# Altium PCB 脑电采集板V4.0.PcbDoc (part 2 of 2)
Units mil, origin at the board's own origin, x right, y up, seen from the top; angles counter-clockwise.
Board outline 2559.06 x 2362.2 mil, 2 copper layers (Top Layer, Bottom Layer); 141 components, 98 nets, 603 pads, 267 vias.
Unrouted connection lines stored in the file: 86.
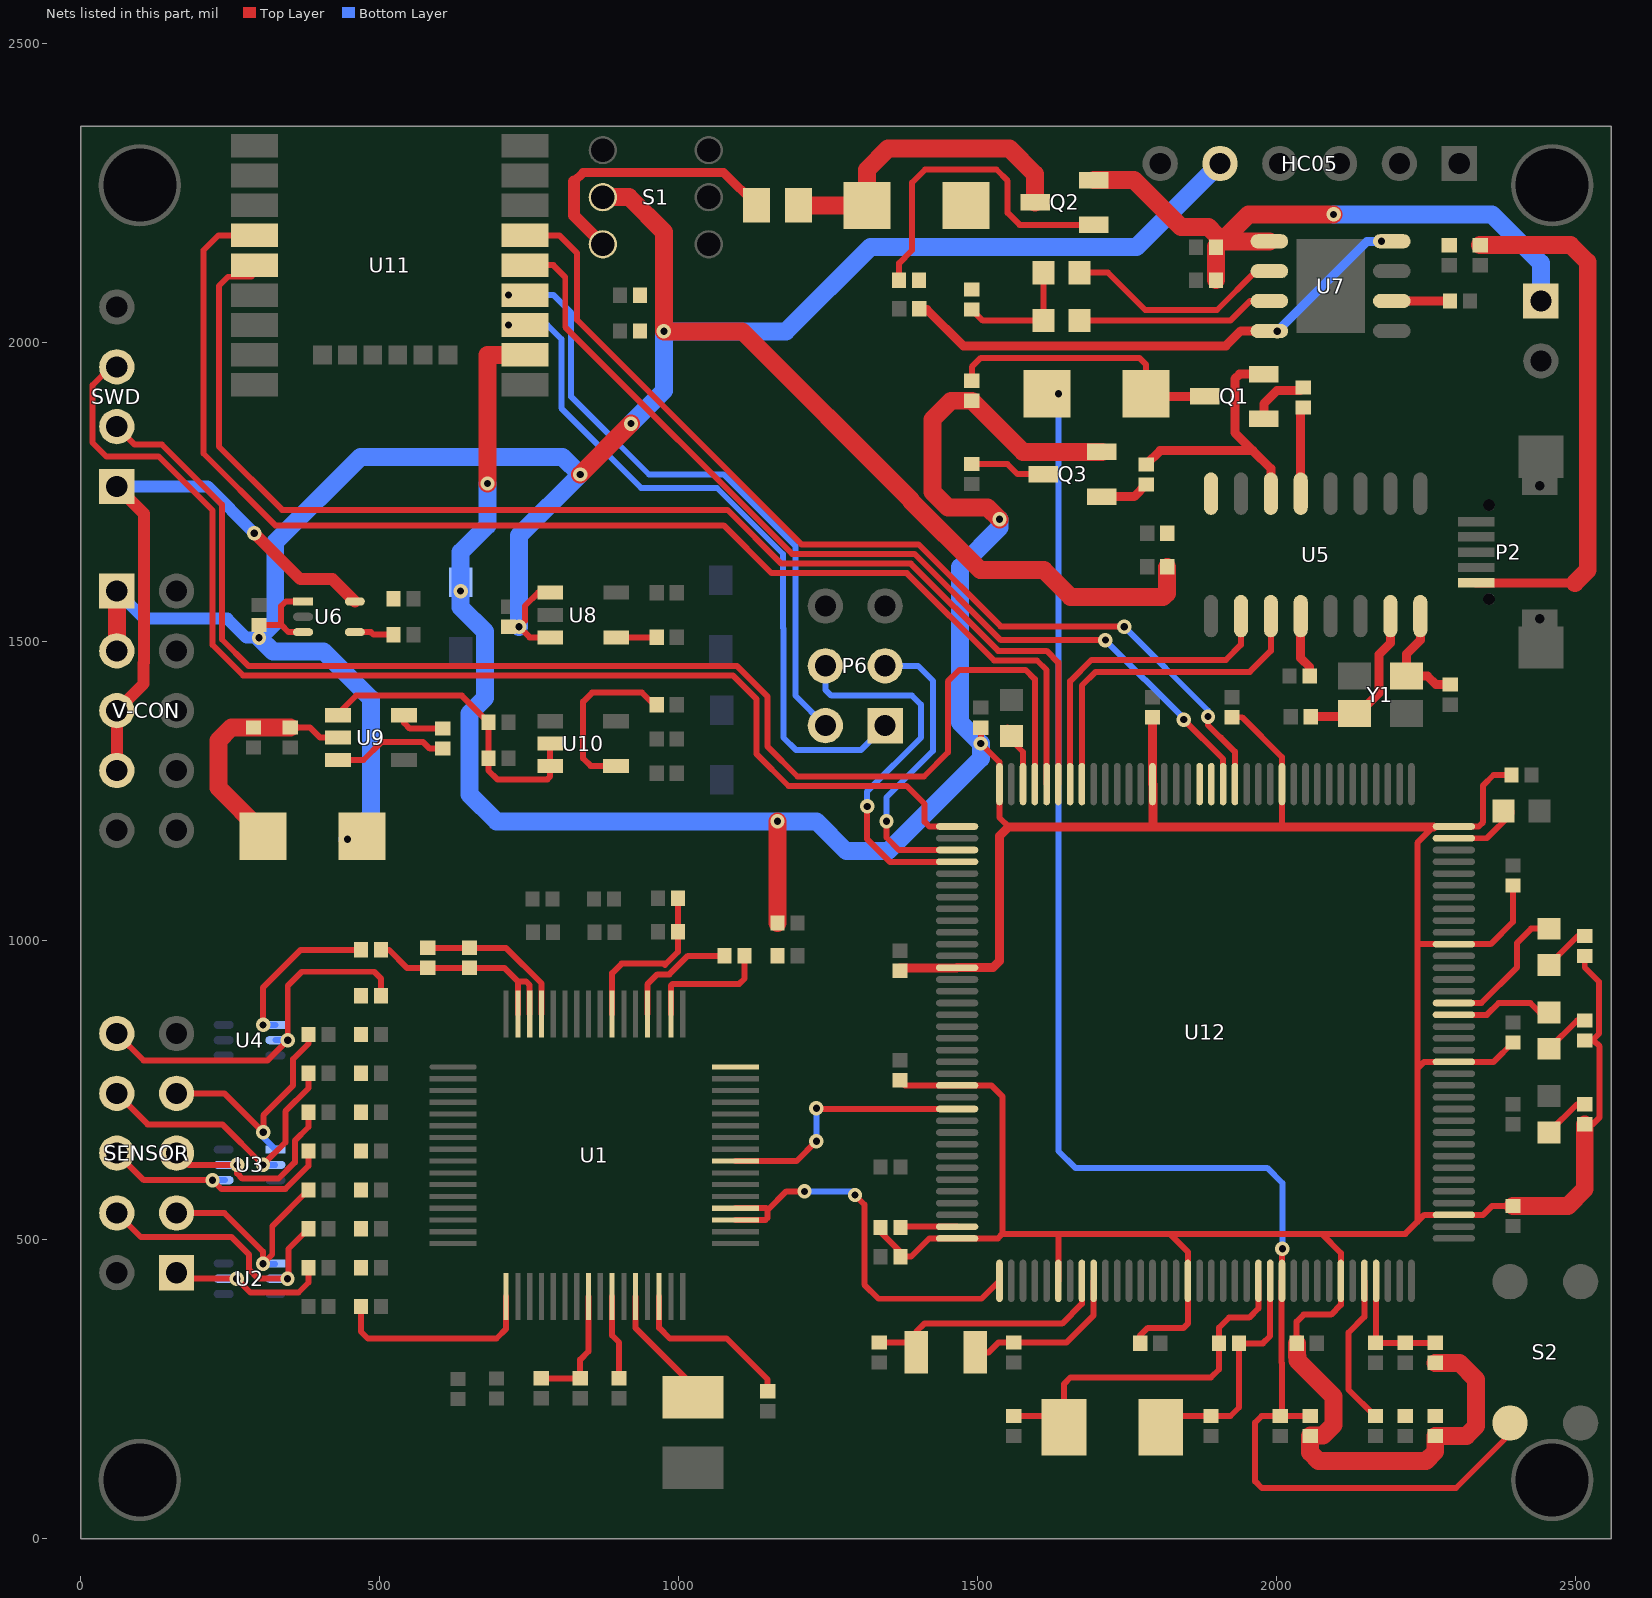
[diagram p2: the nets of this part, all layers, seen from the top]

## Via types
v1: diameter 24, hole 12, Top Layer to Bottom Layer, tented both sides, 267 vias

## Nets (pads, with @x,y where several pads share a name; then routed paths per layer and width w, separated by ;. In a path a pad name is that pad's centre, name@x,y a point inside that pad or via, vN(x,y) a via of type N, cw(c..) or ccw(c..) an arc to the next point about the centre after c; other vN are vias at no path point) (continued)
IN2P: R6.1 SENSOR.1 U2.5 | length 286.7
  Top Layer w10: SENSOR.1@160,445 170,435 v1(260.59,435) 260.59,434.77 283.35,412 363.94,412 380.59,428.65 R6.1@380.59,453.49
  Bottom Layer w10: U2.5@240,435 v1(260.59,435)
IN3P: R7.1 SENSOR.4 U2.2 | length 464.2
  Top Layer w10: SENSOR.4@60,545 100.53,504.47 252.16,504.47 281.41,475.22 281.41,450.47 296.88,435 v1(345.59,435) 347.1,436.52 347.1,485 R7.1@380.59,518.49
  Bottom Layer w10: U2.2@325,435 U2.2@325.34,435 v1(345.59,435)
IN4P: R8.1 SENSOR.3 U2.1 | length 367.3
  Top Layer w10: SENSOR.3@160,545 239.94,545 304.41,480.53 v1(304.41,460) 320,475.59 320,522.9 R8.1@380.59,583.49
  Bottom Layer w10: v1(304.41,460) U2.1@325,460
IN5P: R9.1 SENSOR.6 U3.4 | length 406.9
  Top Layer w10: SENSOR.6@60,645 105.23,599.77 v1(220,599.77) 234.77,585 341.94,585 380.59,623.65 R9.1@380.59,648.49
  Bottom Layer w10: v1(220,599.77) U3.4@238.72,599.77 U3.4@240.59,599.77
IN6P: R10.1 SENSOR.5 U3.5 | length 349
  Top Layer w10: SENSOR.5@160,645 179.63,625.37 v1(261.18,625.37) 261.18,611.1 269.91,602.37 330.52,602.37 357.78,629.63 357.78,665.84 380.59,688.65 R10.1@380.59,713.49
  Bottom Layer w10: U3.5@240.59,625.37 v1(261.18,625.37)
IN7P: R11.1 SENSOR.8 U3.2 | length 495.8
  Top Layer w10: SENSOR.8@60,745 111.73,693.27 236.51,693.27 v1@302,627.78 ; v1(304.41,625.37) 341.78,662.73 341.78,714.84 380.59,753.65 R11.1@380.59,778.49
  Bottom Layer w10: v1(304.41,625.37) U3.2@325,625.37
IN8P: R12.1 SENSOR.7 U3.1 | length 403.6
  Top Layer w10: SENSOR.7@160,745 240,745 v1(305,680) 305,708.27 355,758.27 355,802.52 380.59,828.11 R12.1@380.59,843.49
  Bottom Layer w10: v1(305,680) 305,671.42 U3.1@325,651.42
LED0: D9.K U12.57 | length 234.4
  Top Layer w10: U12.57@2296.06,896.06 2342.06,896.06 2401.85,955.85 2401.85,996.85 2425.31,1020.31 D9.K@2455,1020.31
LED1: D10.K U12.56 | length 173.6
  Top Layer w10: U12.56@2296.06,876.38 2351.42,876.38 2371.1,896.06 2423.94,896.06 2439.69,880.31 D10.K@2455,880.31
NetC3_1: C3.1 C4.1 U1.55 | length 284.2
  Top Layer w10: U1.55@888.31,877.8 888.31,946.05 904.26,962 974.74,962 976.75,960 998.48,981.74 C4.1@998.48,1015.31 C3.1@998.48,1071.07
NetC5_1: C5.1 R2.1 R4.2 U1.62 U1.63 | length 375.9
  Top Layer w10: R4.2@501.73,985 515.16,985 545.16,955 C5.1@580,955 R2.1@650,955 708.01,955 730.83,932.18 ; U1.63@730.83,877.8 730.83,932.18 ; U1.62@750.51,877.8 750.51,926.11 744.44,932.18 730.83,932.18
NetC5_2: C5.2 R2.2 U1.61 | length 266.1
  Top Layer w10: C5.2@580,988.46 R2.2@650,988.46 710.79,988.46 770.2,929.06 U1.61@770.2,877.8
NetC19_1: C19.1 U1.26 | length 141.7
  Top Layer w10: U1.26@888.31,405.35 888.31,340 900,328.31 C19.1@900,268.46
NetC20_1: C20.1 U1.30 | length 289.5
  Top Layer w10: U1.30@967.05,405.35 967.05,352.95 985,335 1080,335 1148.57,266.43 C20.1@1148.57,246.73
NetC22_1: C22.1 U1.28 | length 208.3
  Top Layer w10: U1.28@927.68,405.35 927.68,352.32 1020,260 1020,240.31 C22.1@1023.57,236.73
NetC23_2: C23.2 C24.1 U1.24 | length 207.7
  Top Layer w10: C24.1@770,268.46 C23.2@835,268.46 835,299.57 848.94,313.5 U1.24@848.94,405.35
NetC27_1: C27.1 U5.4 | length 106.4
  Top Layer w15: U5.4@2040,1543.19 2040,1473.03 2055,1458.03 C27.1@2055,1442.99
NetC30_2: C30.2 U5.7 Y1.1 | length 267.1
  Top Layer w15: C30.2@2056.73,1375 2125,1375 Y1.1@2130,1380 2136.3,1380 2171.06,1414.76 2171.06,1479.13 2190,1498.07 U5.7@2190,1543.19
NetC31_2: C31.2 U5.8 Y1.3 | length 189.3
  Top Layer w15: U5.8@2240,1543.19 2240,1502.95 2216.61,1479.57 Y1.3@2216.61,1442.99 2252.01,1442.99 2266.54,1428.46 C31.2@2290,1428.46
NetC34_2: C34.2 U6.4 | length 66.7
  Top Layer w10: U6.4@458.13,1516.42 485,1516.42 489.41,1512.01 C34.2@523.05,1512.01
NetC41_2: C41.2 U8.4 | length 67.8
  Top Layer w10: U8.4@895.24,1507.6 C41.2@963.05,1507.6
NetC42_1: C42.1 U9.5 | length 81.6
  Top Layer w10: U9.5@540.24,1377.4 540.24,1364.76 550,1355 C42.1@605.12,1355
NetC42_2: C42.2 U9.3 | length 192
  Top Layer w10: U9.3@430,1302.6 472.6,1302.6 502.5,1332.5 572.5,1332.5 583.46,1321.54 C42.2@605.12,1321.54
NetC45_1: C45.1 C46.2 D7.2 U9.2 | length 407
  Top Layer w10: C45.1@350.12,1356.73 383.27,1356.73 400,1340 U9.2@430,1340
  Top Layer w30: D7.2@304.64,1175 304.64,1181.43 230,1256.07 230,1335.24 251.49,1356.73 C46.2@288.6,1356.73 C45.1@350.12,1356.73
NetC47_1: C47.1 C48.2 U9.1 U10.2 U10.3 | length 532.2
  Top Layer w10: U9.1@430,1377.4 430,1380 460,1410 637.01,1410 C48.2@681.52,1365.49 C47.1@681.52,1305.49 681.52,1285 696.52,1270 780,1270 784.88,1274.88 U10.3@784.88,1292.6 U10.2@784.88,1330
NetC49_2: C49.2 U10.4 | length 292.8
  Top Layer w10: U10.4@895.12,1292.6 852.4,1292.6 840,1305 840,1400 855,1415 938.46,1415 958.46,1395 C49.2@963.07,1395
NetC50_2: C50.2 U12.8 Y2.1 | length 438.6
  Top Layer w10: C50.2@1335,328.46 1380.55,328.46 Y2.1@1397.28,311.73 1397.28,346.65 1410.63,360 1641.02,360 1674.02,392.99 U12.8@1674.02,431.5
NetC51_2: C51.2 U12.9 Y2.2 | length 281.5
  Top Layer w10: Y2.2@1495.71,311.73 1517.95,311.73 1534.69,328.46 C51.2@1560,328.46 1648.46,328.46 1693.7,373.7 U12.9@1693.7,431.5
NetC52_2: C52.2 R26.1 U12.23 Y3.1 | length 628.7
  Top Layer w10: C52.2@1560,205.43 1625.71,205.43 Y3.1@1644.29,186.85 1644.29,259.29 1655,270 1890,270 1903.27,283.27 R26.1@1903.27,326.85 1903.27,353.27 1920,370 1953.82,370 1969.29,385.47 U12.23@1969.29,431.5
NetC53_2: C53.2 R26.2 U12.24 Y3.2 | length 401.5
  Top Layer w10: Y3.2@1805.71,186.85 1824.29,205.43 C53.2@1890,205.43 1922.56,205.43 1936.73,219.61 R26.2@1936.73,326.85 1976.57,326.85 1988.98,339.25 U12.24@1988.98,431.5
NetC54_1: C54.1 C55.1 R28.2 U12.33 | length 204.1
  Top Layer w10: U12.33@2166.14,431.5 2166.14,328.98 C54.1@2165,327.83 R28.2@2265,327.83
NetC57_2: C57.2 U12.106 | length 104.9
  Top Layer w10: C57.2@1550,1356.54 1550,1341.54 1575.59,1315.95 U12.106@1575.59,1262.2
NetC60_2: C60.2 U12.71 | length 118.1
  Top Layer w10: U12.71@2296.06,1171.65 2351.42,1171.65 2392.52,1212.75 C60.2@2392.52,1217.4
NetD1_2: D1.2 F1.1 Q2.3 | length 535
  Top Layer w30: F1.1@1200.04,2230 D1.2@1314.65,2230 1314.65,2289.65 1350,2325 1553.02,2325 1595.79,2282.24 Q2.3@1595.79,2235
NetD2_2: D2.2 Q1.3 R14.2 | length 474.5
  Top Layer w10: R14.2@1490,1936.73 1490,1960 1505,1975 1770,1975 1781.38,1963.62 D2.2@1781.38,1915
  Top Layer w15: D2.2@1781.38,1915 1785.83,1910.55 Q1.3@1879.8,1910.55
NetD3_A: D3.A D5.A R21.1 | length 207.3
  Top Layer w10: R21.1@1490,2055.67 1508.27,2037.4 D3.A@1609.68,2037.4 D5.A@1609.68,2117.4
NetD3_K: D3.K U7.7 | length 330.8
  Top Layer w10: D3.K@1670.31,2037.4 1922.4,2037.4 1955,2070 U7.7@1987.64,2070
NetD5_K: D5.K U7.6 | length 370.1
  Top Layer w10: D5.K@1670.31,2117.4 1717.6,2117.4 1780,2055 1900,2055 1965,2120 U7.6@1987.64,2120
NetD9_A: D9.A R23.2 | length 80.2
  Top Layer w10: D9.A@2455,959.68 2503.78,1008.46 R23.2@2515,1008.46
NetD10_A: D10.A R24.2 | length 79.5
  Top Layer w10: D10.A@2455,819.68 2502.05,866.73 R24.2@2515,866.73
NetD11_A: D11.A R25.2 | length 79.5
  Top Layer w10: D11.A@2455,679.68 2502.05,726.73 R25.2@2515,726.73
NetF1_2: F1.2 S1.1 | length 458.8
  Top Layer w15: 825,2270 840,2285 1074.96,2285 F1.2@1129.96,2230
  Top Layer w20: 825,2270 825,2212.83 S1.1@872.83,2165
NetQ1_1: Q1.1 R17.2 | length 102.2
  Top Layer w15: Q1.1@1978.23,1873.15 1978.23,1898.23 2000.67,1920.67 2039.14,1920.67 R17.2@2044.02,1925.55
NetQ1_2: Q1.2 R18.2 U5.14 | length 456.6
  Top Layer w15: R18.2@1781.46,1796.73 1804.72,1820 1960,1820 ; Q1.2@1978.23,1947.95 1937.95,1947.95 1930,1940 1930,1850 1960,1820 ; U5.14@1990,1747.91 1990,1790 1960,1820
NetQ2_1: Q2.1 R16.2 | length 555
  Top Layer w10: R16.2@1368.39,2105 1368.39,2133.39 1390,2155 1390,2268.14 1411.86,2290 1531.22,2290 1550,2271.22 1550,2217.6 1570,2197.6 Q2.1@1694.21,2197.6
NetQ3_1: Q3.1 R18.1 | length 82.2
  Top Layer w15: Q3.1@1707.6,1743.15 1761.34,1743.15 R18.1@1781.46,1763.27
NetQ3_3: Q3.3 R19.1 | length 126.1
  Top Layer w10: R19.1@1490,1797.28 1549.56,1797.28 1566.3,1780.55 Q3.3@1609.17,1780.55
NetR3_2: R3.2 U1.52 | length 198.5
  Top Layer w10: U1.52@947.36,877.8 947.36,927.36 964,944 984,944 1015,975 R3.2@1076.54,975
NetR17_1: R17.1 U5.13 | length 145.8
  Top Layer w15: U5.13@2040,1747.91 2040,1888.07 R17.1@2044.02,1892.09
NetR20_2: R20.2 U7.2 | length 97.4
  Top Layer w15: U7.2@2192.36,2070 R20.2@2289.8,2070
NetR22_2: R22.2 U12.143 | length 94.9
  Top Layer w10: R22.2@1370.98,520.79 1372.24,522.05 U12.143@1465.35,522.05
nRF_RX: P6.1 U11.18 | length 1188.6
  Bottom Layer w10: v1(715,2030) 780,2030 803.46,2006.54 803.46,1890.83 936.8,1757.5 1063.72,1757.5 1174.23,1646.99 1174.23,1523.27 1175,1522.5 1175,1340 1195.53,1319.47 1305,1319.47 1345,1359.47 P6.1@1345,1360
nRF_TX: P6.2 U11.19 | length 1057
  Bottom Layer w10: v1(715,2080) 790.55,2080 820,2050.55 820,1910 950,1780 1075,1780 1195,1660 1195,1410 P6.2@1245,1360
P\W\D\N\: U1.35 U1.36 U12.1 | length 688.9
  Top Layer w10: U1.35@1095,533.31 1145,533.31 1148.57,536.88 1148.57,550 ; U1.36@1095,552.99 1145.58,552.99 1148.57,550 ; v1(1210,581.1) 1179.68,581.1 1148.57,550 ; v1(1294.53,575) 1310.35,559.17 1310.35,425 1333.84,401.51 1506.24,401.51 U12.1@1536.22,431.5
  Bottom Layer w10: v1(1210,581.1) 1288.43,581.1 v1(1294.53,575)
PA11: U11.5 U12.103 | length 2110
  Top Layer w10: U11.5@290,2130 285,2130 285,2110.69 246.07,2110.69 231,2095.61 231,1826.63 336.63,1721 1081.37,1721 1171.37,1631 1387.85,1631 1533.85,1485 1615,1485 1634.65,1465.35 U12.103@1634.65,1262.2
PA12: U11.4 U12.104 | length 2186.1
  Top Layer w10: U11.4@290,2180 230,2180 205,2155 205,1815 325,1695 1075,1695 1155,1615 1381.22,1615 1527.22,1469 1599.03,1469 1615,1453.03 U12.104@1614.96,1262.2
PG3: U11.21 U12.88 | length 1679.8
  Top Layer w10: U11.21@742.76,2180 800,2180 830,2150 830,2038.39 1205.39,1663 1401.11,1663 1538.15,1525.95 1744.32,1525.95 v1(1745,1525.28) ; v1(1885,1375) 1885,1360.87 1906.54,1339.33 1906.54,1340 1929.92,1316.61 U12.88@1929.92,1262.2
  Bottom Layer w10: v1(1745,1525.28) 1885,1385.28 v1(1885,1375)
PG4: U11.20 U12.89 | length 1603.1
  Top Layer w10: U11.20@742.76,2130 790,2130 810,2110 810,2026.54 1189.54,1647 1394.48,1647 1538.53,1502.95 v1(1713.39,1502.95) ; v1(1844.51,1370) 1910.24,1304.28 U12.89@1910.24,1262.2
  Bottom Layer w10: v1(1713.39,1502.95) 1845,1371.34 1843.66,1370 v1(1844.51,1370)
PG5: U12.90
PG6: U12.91
REF: R13.1 SENSOR.10 U4.2 | length 629
  Top Layer w10: SENSOR.10@60,845 104.69,800.31 312.3,800.31 v1(345.93,833.94) 345.93,925.25 369.06,948.38 490.62,948.38 501.73,937.27 R13.1@501.73,908.49
  Bottom Layer w10: U4.2@325.34,833.94 v1(345.93,833.94)
RESET: C56.2 D2.1 R27.2 S2.1 U12.25 | length 2736.2
  Top Layer w10: v1(2009.33,485) 2008.66,484.33 U12.25@2008.66,431.5 2007.92,430.76 2007.92,294.59 2008.66,293.85 2008.66,208.27 C56.2@2005.83,205.43 ; R27.2@2055.83,205.43 C56.2@2005.83,205.43 ; S2.1@2390,193.78 2390,175.37 2299.63,85 1975,85 1963.81,96.19 1963.81,194.52 1974.72,205.43 C56.2@2005.83,205.43
  Bottom Layer w10: v1(1635,1915) 1635,648.49 1663.01,620.47 1983.86,620.47 2009.33,595 v1(2009.33,485)
RL: R4.1 U4.1 | length 272.8
  Top Layer w10: v1(304.75,859.53) 304.75,922.26 367.48,985 R4.1@468.27,985
  Bottom Layer w10: v1(304.75,859.53) U4.1@325.34,859.53
SCLK: U1.40 U12.133 | length 439.6
  Top Layer w10: U1.40@1095,631.73 1196.77,631.73 v1(1230.04,665) ; v1(1230.04,720) 1231.14,718.9 U12.133@1465.35,718.9
  Bottom Layer w10: v1(1230.04,665) v1(1230.04,720)
SRB1: C12.1 C13.1 C14.1 C15.1 C16.1 C17.1 C18.1 C21.1 R13.2 U1.17 | length 350.4
  Top Layer w10: C12.1@468.27,388.49 468.27,346.73 480,335 695,335 711.14,351.14 U1.17@711.14,405.35
SWCLK: SWD.3 U12.109 | length 2054.4
  Top Layer w10: SWD.3@50,1960 19.47,1929.47 19.47,1833.21 42.69,1810 130,1810 220,1720 220,1495 271,1444 1090.34,1444 1130,1404.34 1130,1312.37 1183.37,1259 1381,1259 1411,1229 1411,1199.12 1418.78,1191.34 U12.109@1465.35,1191.34
SWDIO: SWD.2 U12.105 | length 2294
  Top Layer w10: SWD.2@50,1860 SWD.2@60,1860 90,1830 135.55,1830 236,1729.55 236,1504 280,1460 1096.97,1460 1148.57,1408.39 1148.57,1324.8 1198.37,1275 1410,1275 1450,1315 1450,1434 1469,1453 1579.99,1453 1595.28,1437.72 U12.105@1595.28,1262.2
USART1_RX: U5.2 U12.102 | length 531.1
  Top Layer w10: U12.102@1654.33,1262.2 1654.33,1434.33 1690,1470 1915,1470 1940,1495 U5.2@1940,1543.19
USART1_TX: U5.3 U12.101 | length 563
  Top Layer w10: U12.101@1674.02,1262.2 1674.02,1427.01 1697.01,1450 1955,1450 1990,1485 U5.3@1990,1543.19
USART3_RX: P6.4 U12.112 | length 638.6
  Top Layer w10: v1(1315,1225) 1315,1170 1352.72,1132.28 U12.112@1465.35,1132.28
  Bottom Layer w10: P6.4@1245,1460 1245,1420 1255,1410 1390,1410 1405,1395 1405,1340 1315,1250 v1(1315,1225)
USART3_TX: P6.3 U12.111 | length 511.6
  Top Layer w10: v1(1347.16,1200) 1347.16,1172.84 1368.03,1151.97 U12.111@1465.35,1151.97
  Bottom Layer w10: P6.3@1345,1460 1400,1460 1425,1435 1425,1317.84 1347.16,1240 v1(1347.16,1200)
USB_5V: C35.2 C36.2 D1.1 P2.1 R15.1 R16.1 R21.2 U7.4 U7.8 | length 1747
  Top Layer w15: 1415,2055.67 1475.67,1995 1915,1995 1940,2020 U7.8@1987.64,2020 ; P2.1@2333.39,1598.82 2498.82,1598.82
  Top Layer w30: C35.2@2340,2163.46 2491.54,2163.46 2520,2135 2520,1620 2498.82,1598.82
  Bottom Layer w15: v1(2000.67,2019.45) 2151.23,2170 v1(2175,2170)
V_BAT: BAT.1 C37.2 C38.2 Q2.2 U7.5 | length 1053.2
  Top Layer w30: Q2.2@1694.21,2272.4 1761.14,2272.4 1839.75,2193.8 1885.51,2193.8 1897.81,2181.49 ; C38.2@1898.46,2105.08 C37.2@1898.46,2160 ; U7.5@1987.64,2170 1908.46,2170 C37.2@1898.46,2160 ; v1(2095,2215) 1952.48,2215 1898.46,2160.98 C37.2@1898.46,2160
  Bottom Layer w30: v1(2095,2215) 2360,2215 2441.65,2133.35 BAT.1@2441.65,2070
VCC: C25.1 C26.1 C28.2 C29.2 C32.2 C39.2 D7.1 HC05.5 S1.2 U5.16 U6.1 U6.3 U8.1 U8.3 V-CON.1 V-CON.3 | length 4948.4
  Top Layer w10: v1(297.9,1507.05) C32.2@297.9,1528.54 335,1528.54 ; U6.3@371.52,1516.42 347.13,1516.42 335,1528.54 ; U6.1@371.52,1567.6 342.6,1567.6 335,1560 335,1528.54 ; C39.2@714.98,1525.28 v1(732.84,1525.28) ; U8.3@785,1507.6 750.51,1507.6 v1(732.84,1525.28) ; U8.1@785,1582.4 764.8,1582.4 742.76,1560.35 742.76,1535.2 v1(732.84,1525.28)
  Top Layer w30: V-CON.3@60,1485 V-CON.1@60,1585 ; v1(835,1780) v1(920,1865) ; S1.2@872.83,2243.74 916.91,2243.74 975,2185.65 v1(975,2019.45) 1105.92,2019.45 1388.17,1737.2 1388.17,1735.91 1504.09,1620 1610.3,1620 1655.3,1575 1809.8,1575 1816.08,1581.28 1816.08,1624.9 C26.1@1816.73,1625.55
  Bottom Layer w20: V-CON.1@60,1585 106.22,1538.78 245,1538.78 276.73,1507.05 v1(297.9,1507.05)
  Bottom Layer w30: v1(446,1170) 485,1209 485,1405 406.06,1483.94 321.01,1483.94 v1(297.9,1507.05) 325,1534.15 325,1666.86 467.59,1809.45 805.55,1809.45 v1(835,1780) 732.84,1677.84 v1(732.84,1525.28) ; v1(920,1865) 975,1920 v1(975,2019.45) 1179.45,2019.45 1320.55,2160.55 1765.55,2160.55 HC05.5@1905,2300
VCC3.3: C10.1 C11.1 C33.2 C61.2 C62.2 C63.2 C64.2 C65.2 C66.2 C67.2 C68.2 C69.2 C70.2 C71.2 C72.2 D4.2 Q3.2 R3.1 R14.1 R22.1 R23.1 R24.1 R25.1 R27.1 R28.1 R29.2 SWD.1 U1.48 U1.50 U6.5 U11.17 U12.6 U12.17 U12.30 U12.39 U12.52 U12.62 U12.72 U12.84 U12.95 U12.108 U12.121 U12.131 U12.144 V-CON.5 V-CON.7 | length 10646
  Top Layer w10: U1.50@986.73,877.8 986.73,925.27 989.46,928 997.37,928 997.53,928.17 1015.3,928.17 1015.47,928 1101,928 1110,937 R3.1@1110,975 ; R22.1@1337.52,520.79 1337.52,512.48 1370.98,479.02 C66.2@1370.98,471.85 1388.27,471.85 1418.78,502.36 U12.144@1465.35,502.36 1533.35,502.36 1540.98,510 ; C61.2@1370,766.85 1378.58,758.27 U12.131@1465.35,758.27 1522.72,758.27 1540.98,740 1540.98,510 ; C63.2@1505,1356.54 v1(1505,1330) 1536.22,1298.78 U12.108@1536.22,1262.2 1536.22,1206.02 1551.57,1190.67 ; U12.6@1634.65,431.5 1634.65,506.66 1631.31,510 ; C64.2@1771.54,326.85 1771.54,340.16 1784.33,352.95 1844.13,352.95 1851.18,360 U12.17@1851.18,431.5 1851.18,480 1833.22,497.96 ; 1833.56,497.62 1833.22,497.96 ; C71.2@1925,1374.02 1941.98,1374.02 2008.66,1307.33 U12.84@2008.66,1262.2 2008.66,1192 2010,1190.67 ; C65.2@2033.27,326.85 2033.27,363.27 2045,375 2090.91,375 2107.09,391.18 U12.30@2107.09,431.5 2107.09,477.91 2075,510 ; C72.2@2392.52,1277.4 2362.4,1277.4 2345,1260 2345,1198.7 2337.64,1191.34 U12.72@2296.06,1191.34 2262.48,1191.34 2261.8,1190.67 2235,1163.86 2235,995 ; C69.2@2395,556.73 2360,556.73 2345,541.73 U12.39@2296.06,541.73 2246.73,541.73 2235,530 ; C68.2@2395,830 2362.64,797.64 U12.52@2296.06,797.64 2246.43,797.64 2235,786.2 ; C67.2@2395,1092.91 2395,1031.9 2357.59,994.49 U12.62@2296.06,994.49 2235.51,994.49 2235,995 ; R25.1@2515,693.27 2528.27,693.27 2540,705 2540,823.49 2530.22,833.27 R24.1@2527.06,833.27 ; R24.1@2515,833.27 R24.1@2527.06,833.27 ; R23.1@2515,975 2515,955.43 2538.8,931.64 2538.8,845 R24.1@2527.06,833.27 ; 1540.98,510 1631.31,510 ; 1631.31,510 1821.18,510 ; 1821.18,510 1833.22,497.96 ; 1821.18,510 1833.22,497.96 ; 1821.18,510 2075,510 ; 2075,510 2215,510 2235,530 ; 2235,530 2235,786.2 ; 2235,786.2 2235,995
  Top Layer w15: C62.2@1370,950.12 1370,954.44 1464.68,954.44 U12.121@1465.35,955.12 1525.15,955.12 1536.22,966.19 1536.22,1175.31 1551.57,1190.67 1792.8,1190.67 ; C70.2@1792.13,1374.02 U12.95@1792.13,1262.2 1792.8,1261.53 1792.8,1190.67 ; U12.72@2261.8,1190.67 2010,1190.67 1792.8,1190.67
  Top Layer w20: V-CON.7@60,1285 V-CON.5@60,1385 105,1430 105,1465.09 105.53,1465.61 105.53,1714.47 SWD.1@60,1760 ; v1(290,1681.86) 366.86,1605 420.73,1605 U6.5@458.13,1567.6
  Top Layer w30: v1(680,1765) 680,1980 U11.17@742.76,1980 ; C10.1@1165,1030 v1(1165,1200) ; v1(1536.22,1705) 1516.22,1725 1450,1725 1424.17,1750.83 1424.17,1872.25 1455.2,1903.27 R14.1@1490,1903.27 1575.31,1817.95 Q3.2@1707.6,1817.95 ; C65.2@2033.92,326.85 2033.92,305.36 2034.66,304.62 2034.66,298.14 2095,237.8 2095,190.3 2077.32,172.62 2056.48,172.62 R27.1@2055.83,171.97 2055.83,144.17 2070,130 2249.3,130 2265,145.7 R29.2@2265,171.97 2316.97,171.97 2333.39,188.39 2333.39,266.61 2305.63,294.37 R28.1@2265,294.37 ; C69.2@2395,556.73 2486.73,556.73 2515,585 R25.1@2515,693.27
  Bottom Layer w20: SWD.1@60,1760 211.86,1760 v1(290,1681.86)
  Bottom Layer w30: v1(680,1765) 680,1695 635,1650 D4.2@635,1600.08 v1(635,1585) 635,1557.93 675.69,1517.24 675.69,1406.04 650,1380.35 650,1245 695,1200 v1(1165,1200) 1230,1200 1280,1150 1350,1150 1505,1305 v1(1505,1330) 1470,1365 1470,1625 1536.22,1691.22 v1(1536.22,1705)
VREF+: C58.2 C59.2 R29.1 U12.32 | length 256.5
  Top Layer w10: U12.32@2146.46,431.5 2146.46,371.35 2120,344.9 2120,249.57 2164.57,205 C58.2@2165,205.43
pads on no net: HC05.1 HC05.6 P2. P2.4 P2.6 S1.3 S1.4 S1.5 S1.6 S2. U1.1 U1.3 U1.5 U1.7 U1.9 U1.11 U1.13 U1.15 U1.18 U1.27 U1.29 U1.37 U1.42 U1.44 U1.45 U1.46 U1.60 U1.64 U2.6 U3.6 U4.4 U4.5 U4.6 U5.9 U5.10 U5.11 U5.12 U5.15 U7.0 U11.2 U11.3 U11.6 U11.7 U11.8 U11.10 U11.11 U11.12 U11.13 U11.14 U11.15 U11.22 U11.23 U11.24 U12.3 U12.4 U12.5 U12.7 U12.10 U12.11 U12.12 U12.13 U12.14 U12.15 U12.18 U12.19 U12.20 U12.21 U12.22 U12.26 U12.27 U12.28 U12.29 U12.34 U12.35 U12.36 U12.37 U12.40 U12.41 U12.42 U12.43 U12.44 U12.45 U12.46 U12.47 U12.49 U12.50 U12.53 U12.54 U12.55 U12.58 U12.59 U12.60 U12.63 U12.64 U12.65 U12.66 U12.67 U12.68 U12.69 U12.70 U12.73 U12.74 U12.75 U12.76 U12.77 U12.78 U12.79 U12.80 U12.81 U12.82 U12.85 U12.86 U12.87 U12.92 U12.93 U12.96 U12.97 U12.98 U12.99 U12.100 U12.110 U12.113 U12.114 U12.115 U12.116 U12.117 U12.118 U12.119 U12.122 U12.124 U12.125 U12.126 U12.127 U12.128 U12.129 U12.132 U12.136 U12.137 U12.139 U12.140 U12.141 U12.142 Y1.2 Y1.4
copper on no net: | length 2098.5
  Bottom Layer w39.37: 1254.62,497.62 1255,20 ; 1255,780.74 1255,1045
  Bottom Layer w40: 10,1045 465,1045 575,1155 1180,1155 1255,1080 1255,1045

## Polygon pours and split planes (outlines as drawn)
AGND on Bottom Layer (solid, remove dead copper, pour order 4): 470,1025 580,1135 1170,1135 1235.38,1069.62 1235.38,775.38 1275.38,775.38 1275.38,1086.83 1187.2,1175 570,1175 455,1060 0,1060 0,2359.36 2559.06,2359.36 2559.06,-2.39 1275.38,0 1275.38,505 1235.38,505 1235.38,0 0,0 0,1025
no net on Bottom Layer (solid, remove dead copper, pour order 8): 735,255
no net on Bottom Layer (solid, remove dead copper, pour order 2): 475,1330
AGND on Top Layer (solid, remove dead copper, pour order 38): 470,1025 580,1135 1170,1135 1235.38,1069.62 1235.38,775.38 1275.38,775.38 1275.38,1086.83 1187.2,1175 570,1175 455,1060 0,1060 0,2359.36 2559.06,2359.36 2559.06,-2.39 1275.38,0 1275.38,505 1235.38,505 1235.38,0 0,0 0,1025
SRB1 on Top Layer (solid, remove dead copper, pour order 36): 442.6,371.35 449.57,364.38 481.53,364.38 481.53,934.32 479.2,936.65 442.6,936.65
VCC3.3 on Top Layer (solid, remove dead copper, pour order 34): 415,1543.19 538.19,1543.19 540,1545 540,1590 535,1595 540,1600 590,1600 590,1578.74 610,1558.74 666.73,1558.74 670,1562.01 665,1567.01 665,1630 430,1630 415,1615
VCC on Top Layer (solid, remove dead copper, pour order 32): 920,2117.4 920,1990.96 935.96,1975 1125,1975 1130,1980 1130,2115 1127.6,2117.4
VCC on Top Layer (solid, remove dead copper, pour order 30): 1800,1580 1849.64,1580 1910.24,1640.6 1910.24,1793.78 1909.02,1795 1846.54,1795 1800,1748.46
USB_5V on Top Layer (solid, remove dead copper, pour order 28): 1385,2120 1430.8,2165.8 1430.8,2275 1528.14,2275 1535,2268.14 1535,2075 1445,2075 1445,2010 1440,2005 1385.65,2005 1385,2005.65
VREF+ on Top Layer (solid, remove dead copper, pour order 24): 2300,190 2135,190 2125,200 2125,235 2130,240 2300,240
USB_5V on Top Layer (solid, remove dead copper, pour order 22): 2155,2145 2370,2145 2370,2215.04 2355.04,2230 2160,2230 2155,2225
VCC3.3 on Top Layer (solid, remove dead copper, pour order 18): 1095,940 1090.43,935.43 1055,935.43 1045,925.43 1045,785 1050,780 1145,780 1145,925.43 1164.49,930 1182.5,948.01 1182.5,1071.07 1095,1071.07
AVDD on Top Layer (solid, remove dead copper, pour order 16): 770.2,1100 770.2,980 872.74,980 872.83,979.9 872.83,1091.07 858.91,1105 775.2,1105
AVSS on Top Layer (solid, remove dead copper, pour order 14): 855,1395 855,1345 908.46,1345 933.46,1320 933.46,1260 875,1201.54 875,992.18 892.37,974.8 969.8,974.8 980,985 980,1355 969.51,1365.49 933.46,1365.49 930,1368.95 930,1385 920,1395
AVSS on Top Layer (solid, remove dead copper, pour order 12): 740,255 930,255 940,245 940,185 950,175 1095,175 1105,185 1105,220 1110,225 1180,225 1185,220 1185,40 1180,35 745,35 740,40
no net on Top Layer (solid, remove dead copper, pour order 20): 2150,2230

## Other copper
Top Layer:
  pour cut-out: 85,827.08 85,404.14 111.02,378.12 361.93,378.12 345.08,394.97 345.08,936.65 328.13,936.65 327.07,937.72 315.91,926.56 288.6,926.56 290.87,924.28 290.87,807.47 280.96,817.39 87.61,817.39 82.34,822.66
  pour cut-out: 2147.6,183.51 2116.18,183.51 2114.78,182.11 2114.78,151.65 2114.79,151.64 2085.75,151.64 2085.75,176.15 2112.07,202.47 2130.78,183.76 2146.98,183.76
  pour cut-out: 2055.33,308.34 2055.33,364.62 2055.71,365 2044.48,365 2044.48,345.65
  pour cut-out: 2436.18,1049.05 2554.63,1049.05 2559.06,1044.62 2559.06,685.55 2536.41,685.55 2551.22,700.35 2551.22,828.13 2532.42,846.93 2532.42,983.58 2533.8,984.96 2533.8,1026.28 2496.2,1026.28 2495.85,1025.92 2495.85,1016.39 2484.91,1005.46 2483,1007.37 2480.29,1007.37 2480.29,1044.62 2429.71,1044.62
  pour cut-out: 1402.68,1817.95 1338.3,1817.95 1338.3,1817.35 1398.14,1757.51 1400.06,1759.42 1402.76,1759.42 1402.76,1819.91 1402.68,1820
  pour cut-out: 1523.8,1374.35 1522.94,1373.49 1522.94,1327.92 1545.95,1304.91 1545.95,1204.43 1547.01,1205.49 2236.93,1205.49 2236.93,1295.72 2229.69,1302.97 1591.97,1302.97 1584.18,1310.76 1584.18,1372.81 1527.94,1372.81 1523.35,1377.4
  pour cut-out: 2037.27,1461.79 2037.27,1357.85 2043.76,1351.36 2250.17,1351.36 2250.17,1418.83 2245.7,1414.35 2096.44,1414.35 2096.44,1470 2045.9,1470 2032.28,1456.38
  pour cut-out: 2406.13,1203.38 2410.33,1207.59 2410.33,1296.2 2397.06,1296.2 2354.8,1253.94 2354.8,1206.02 2369.92,1206.02 2374.71,1210.8 2374.71,1236.2 2403.8,1236.2 2410,1230 2406.22,1226.22 2406.22,1210.66
  pour cut-out: 2480.29,655.38 2484.76,659.84 2495.85,659.84 2495.85,691.96 2489.5,698.32 2480.29,689.11
  pour cut-out: 2348.86,789.71 2523.49,789.71 2528.78,795 2527.06,796.72 2527.06,833.27 2514.02,833.27 2496.2,815.46 2496.2,838.49 2493.2,838.49 2440.13,891.57 2379.78,891.57 2379.78,842.42 2335,797.64
  pour cut-out: 2246.22,983.27 2246.22,553.37 2254.26,561.42 2337.72,561.42 2337.72,983.83 2335,986.56 2332.57,984.13 2253.21,984.13
  pour cut-out: 2126.31,315.55 2131.85,310.02 2244.89,310.02 2244.89,315.3 2246.2,316.62 2245.52,317.31 2148.1,317.31 2148.1,338.82 2154.93,345.64 2154.93,356.89 2144.45,356.89 2144.37,356.97 2131.22,343.81 2131.22,320.46
  pour cut-out: 2257.5,110.22 2283.62,110.22 2352.3,178.89 2362.75,168.44 2364.66,168.44 2364.66,165.89 2294.99,96.22 2028.35,96.22 2034.41,102.28 2034.41,144.17 2223.54,144.17
  pour cut-out: 1925,259.64 1925,307.54 1925.52,308.05 1914.48,308.05 1911.2,304.77 1911.2,275.34 1895.5,259.64
  pour cut-out: 1848.43,342.59 1956.38,342.59 1960,338.97 1960,404.66 1873.81,404.66 1844.13,374.99 1844.13,352.95
  pour cut-out: 2146.2,310.02 2122.04,310.02 2121.41,310.65 2131.22,320.46 2131.22,340.25 2133.28,340.25 2150,356.97 2150,324.59
  pour cut-out: 2300,246.49 2303.51,250 2311.49,250 2311.49,202.47 2300,213.96
  pour cut-out: 1017.63,453.58 1017.63,346.42 984.96,346.42 980,351.38 980,355.86 977.38,358.48 977.38,448.78 1012.84,448.78
  pour cut-out: 939.74,833.27 1038.51,833.27 1038.51,916.78 1038.4,916.89 963.86,916.89 963.86,857.4
  pour cut-out: 1905.81,1805.02 1916.44,1794.39 2261.27,1794.39 2260,1793.12 2260,1447.77 2237.77,1470 1905,1470 1905,1797.48 1909.02,1801.49
  pour cut-out: 2046.95,1707.51 1910.24,1707.51 1910.24,1800.6 1901.39,1809.45 1945.31,1853.37 2008.83,1853.37 2008.83,1892.93 2004.21,1897.55 2012,1897.55 2025,1910.55 2027.28,1908.27 2027.28,1717.19 2037.27,1717.19
  pour cut-out: 1508.8,1786.07 1598.25,1786.07 1625.73,1758.59 1621.24,1754.09 1621.24,1636.01 1518.99,1636.01 1456.03,1698.97 1455.4,1698.97 1455.4,1732.67
  pour cut-out: 1848.62,2215.21 1849.95,2216.54 1923.74,2216.54 1908.39,2201.19 1894.38,2215.21
  pour cut-out: 2095,2236.41 2175,2236.41 2175,2170 2008.76,2170 1988.98,2189.79 1988.98,2197.6 2093.21,2197.6 2098.79,2203.17
  pour cut-out: 1663.61,2217.38 1663.61,2208.81 1597.41,2208.81 1595.28,2210.95 1595.28,2217.87 1623.75,2217.87 1626.39,2215.22 1628.55,2217.38
  pour cut-out: 1565.71,2187.24 1542.92,2187.24 1540.47,2189.68 1541.49,2190.7 1541.49,2203.17 1544.42,2203.17 1546.49,2205.24 1562.07,2189.67
  pour cut-out: 1633.99,2142.69 1694.62,2142.69 1694.62,2106.19 1712.95,2106.19 1765.9,2053.24 1765.9,2050.53 1763.99,2048.62 1682.25,2048.62 1642.39,2008.76 1639.05,2012.11 1633.99,2012.11 1633.99,2062.69 1620.9,2062.69 1620.9,2092.11 1633.99,2092.11
  pour cut-out: 1393,2001.1 1395.59,1998.51 1440,1998.51 1471.2,1967.3 1471.2,1954.54 1478.78,1954.54 1479.64,1955.4 1479.64,1965.5 1490.75,1976.62 1488.84,1978.53 1488.84,1981.24 1469.97,1981.24 1455,1996.2 1455,2004.32 1413.51,2004.32 1412.83,2005
  pour cut-out: 1360.02,2184.63 1377.93,2184.63 1381.06,2181.49 1382.07,2182.5 1382.07,2276.07 1403.93,2297.93 1403.4,2298.46 1403.4,2303.59 1358.87,2303.59 1336.06,2280.78 1354.61,2280.78 1360.02,2275.37
  pour cut-out: 994.78,2193.85 994.78,2270 900.09,2270 898.85,2271.24 896.3,2268.69 896.3,2266.24 922.39,2266.24
  pour cut-out: 847.39,2298.76 788.46,2298.76 788.46,2191.55 788.13,2191.22 803.44,2191.22 836.98,2157.67 838.88,2157.67 843.75,2162.55 843.75,2172.77 809.93,2206.59 809.93,2276.24 822.34,2276.24 849.86,2303.76
  pour cut-out: 788.13,1954.32 866.13,1954.32 866.82,1955 866.82,1958.5 798.78,2026.54 798.78,2105.35 792.75,2111.39 790.04,2111.39 788.13,2109.48
  pour cut-out: 496.04,1103.37 140.82,1103.37 138.87,1101.41 85.34,1154.94 85.34,1159.66 165.87,1159.66 217.17,1108.37 493.57,1108.37
  pour cut-out: 962.36,833.94 972.38,833.94 971.39,834.94 971.39,916.89 963.86,916.89 962.36,915.39
  pour cut-out: 1333.84,783.66 1334.84,784.66 1351.2,784.66 1351.2,749.04 1419.25,749.04 1421.23,747.05 1421.23,732.88 1422.5,731.61 1308.5,731.61 1305,735.11 1330.36,760.47 1330.36,778.62 1332.15,780.41
  pour cut-out: 1351.2,932.31 1351.2,920 1421.83,920 1430,928.17 1425,933.17 1425,954.44 1373.34,954.44
  pour cut-out: 1276.18,348.09 1347.69,348.09 1353.8,341.98 1353.8,339.68 1371.6,339.68 1371.6,353.16 1388.4,353.16 1402.31,367.07 1402.68,367.07 1400.96,368.78 1311.19,368.78 1280.38,399.6 1276.18,395.4
  pour cut-out: 611.83,249.39 731.98,249.39 734.64,246.73 734.64,296.65 768.88,330.89 768.88,337.96 763.08,337.96 755.82,345.21 702.65,345.21 685.27,327.83 612.83,327.83 610,325 611.83,323.17
  pour cut-out: 938.89,832.43 997.06,832.43 973.37,856.12 973.37,932.12 967.98,932.12 938.89,903.03
  pour cut-out: 516.25,1005.87 770,1005.87 798.35,977.52 798.35,923.17 781.41,923.17 781.41,933.7 718.72,996.39 565.59,996.39 561.2,992.01 561.2,966.22 548.63,966.22 519.54,995.3 519.54,1003.8
  pour cut-out: 359.75,961.4 359.75,961.41 372.13,973.78 511.72,973.78 540.87,944.64 702.51,944.64 724.65,922.5 701.48,922.5 696.52,927.46 696.52,936.65 528.91,936.65 519.54,927.28 519.54,853.31 526.34,853.31 549.41,830.25 549.41,804.94 555.4,798.94 583.49,798.94 583.49,792.64 568.31,777.46 538.19,807.58 538.19,828.39 507.05,859.53 470,859.53 470,897.79 494.71,922.5 468.82,948.38 372.77,948.38
  pour cut-out: 359.75,961.4 493.46,961.4 512.95,941.91 512.95,927.28 519.54,927.28 519.54,853.31

## Silkscreen, mask and mechanical layers (free items; w line width, h text height)
Top Overlay:
  drawing of 11962 lines, arcs and shapes, not listed
  text "VCC" at 1935,2235 h25 r180
  text "GND" at 2035,2235 h25 r180
  text "TX" at 2125,2235 h25 r180
  text "RX" at 2225,2235 h25 r180
  text "GND" at 125,2090 h25 r270
  text "CLK" at 125,1990 h25 r270
  text "DIO" at 125,1890 h25 r270
  text "3V3" at 125,1790 h25 r270
  text "VCC" at 216.71,1619.61 h25 r270
  text "GND" at 247.22,1620 h25 r270
  text "HCT" at 1180,1529.78 h25 r90
  text "HCR" at 1435,1529.78 h25 r90
  text "VCC" at 216.71,1519.61 h25 r270
  text "GND" at 247.22,1520 h25 r270
  text "U3R" at 1180,1428.12 h25 r90
  text "U3T" at 1435,1428.12 h25 r90
  text "3V3" at 216.71,1419.61 h25 r270
  text "GND" at 247.22,1420 h25 r270
  text "RFT" at 1180,1326.46 h25 r90
  text "RFR" at 1435,1326.46 h25 r90
  text "3V3" at 216.71,1319.61 h25 r270
  text "GND" at 247.22,1320 h25 r270
  text "AVDD" at 217.17,1225 h25 r270
  text "AVSS" at 247.22,1225 h25 r270
  text "REF" at 220,879.61 h25 r270
  text "GND" at 255,879.61 h25 r270
  text "CH7" at 220,779.61 h25 r270
  text "CH8" at 255,779.61 h25 r270
  text "CH5" at 220,679.61 h25 r270
  text "CH6" at 255,679.61 h25 r270
  text "CH3" at 220,579.61 h25 r270
  text "CH4" at 255,579.61 h25 r270
  text "CH1" at 220,479.61 h25 r270
  text "CH2" at 255,479.61 h25 r270
Mechanical 1:
  the board outline again, w20

## Text inside footprints (layer, text, board x,y; h text height)
P2: Top Overlay "+" at 2327.48,1520.08 h20 r90